# Altium PCB OZ440-SE100-CAR003.PcbDoc (part 1 of 5) (continued)
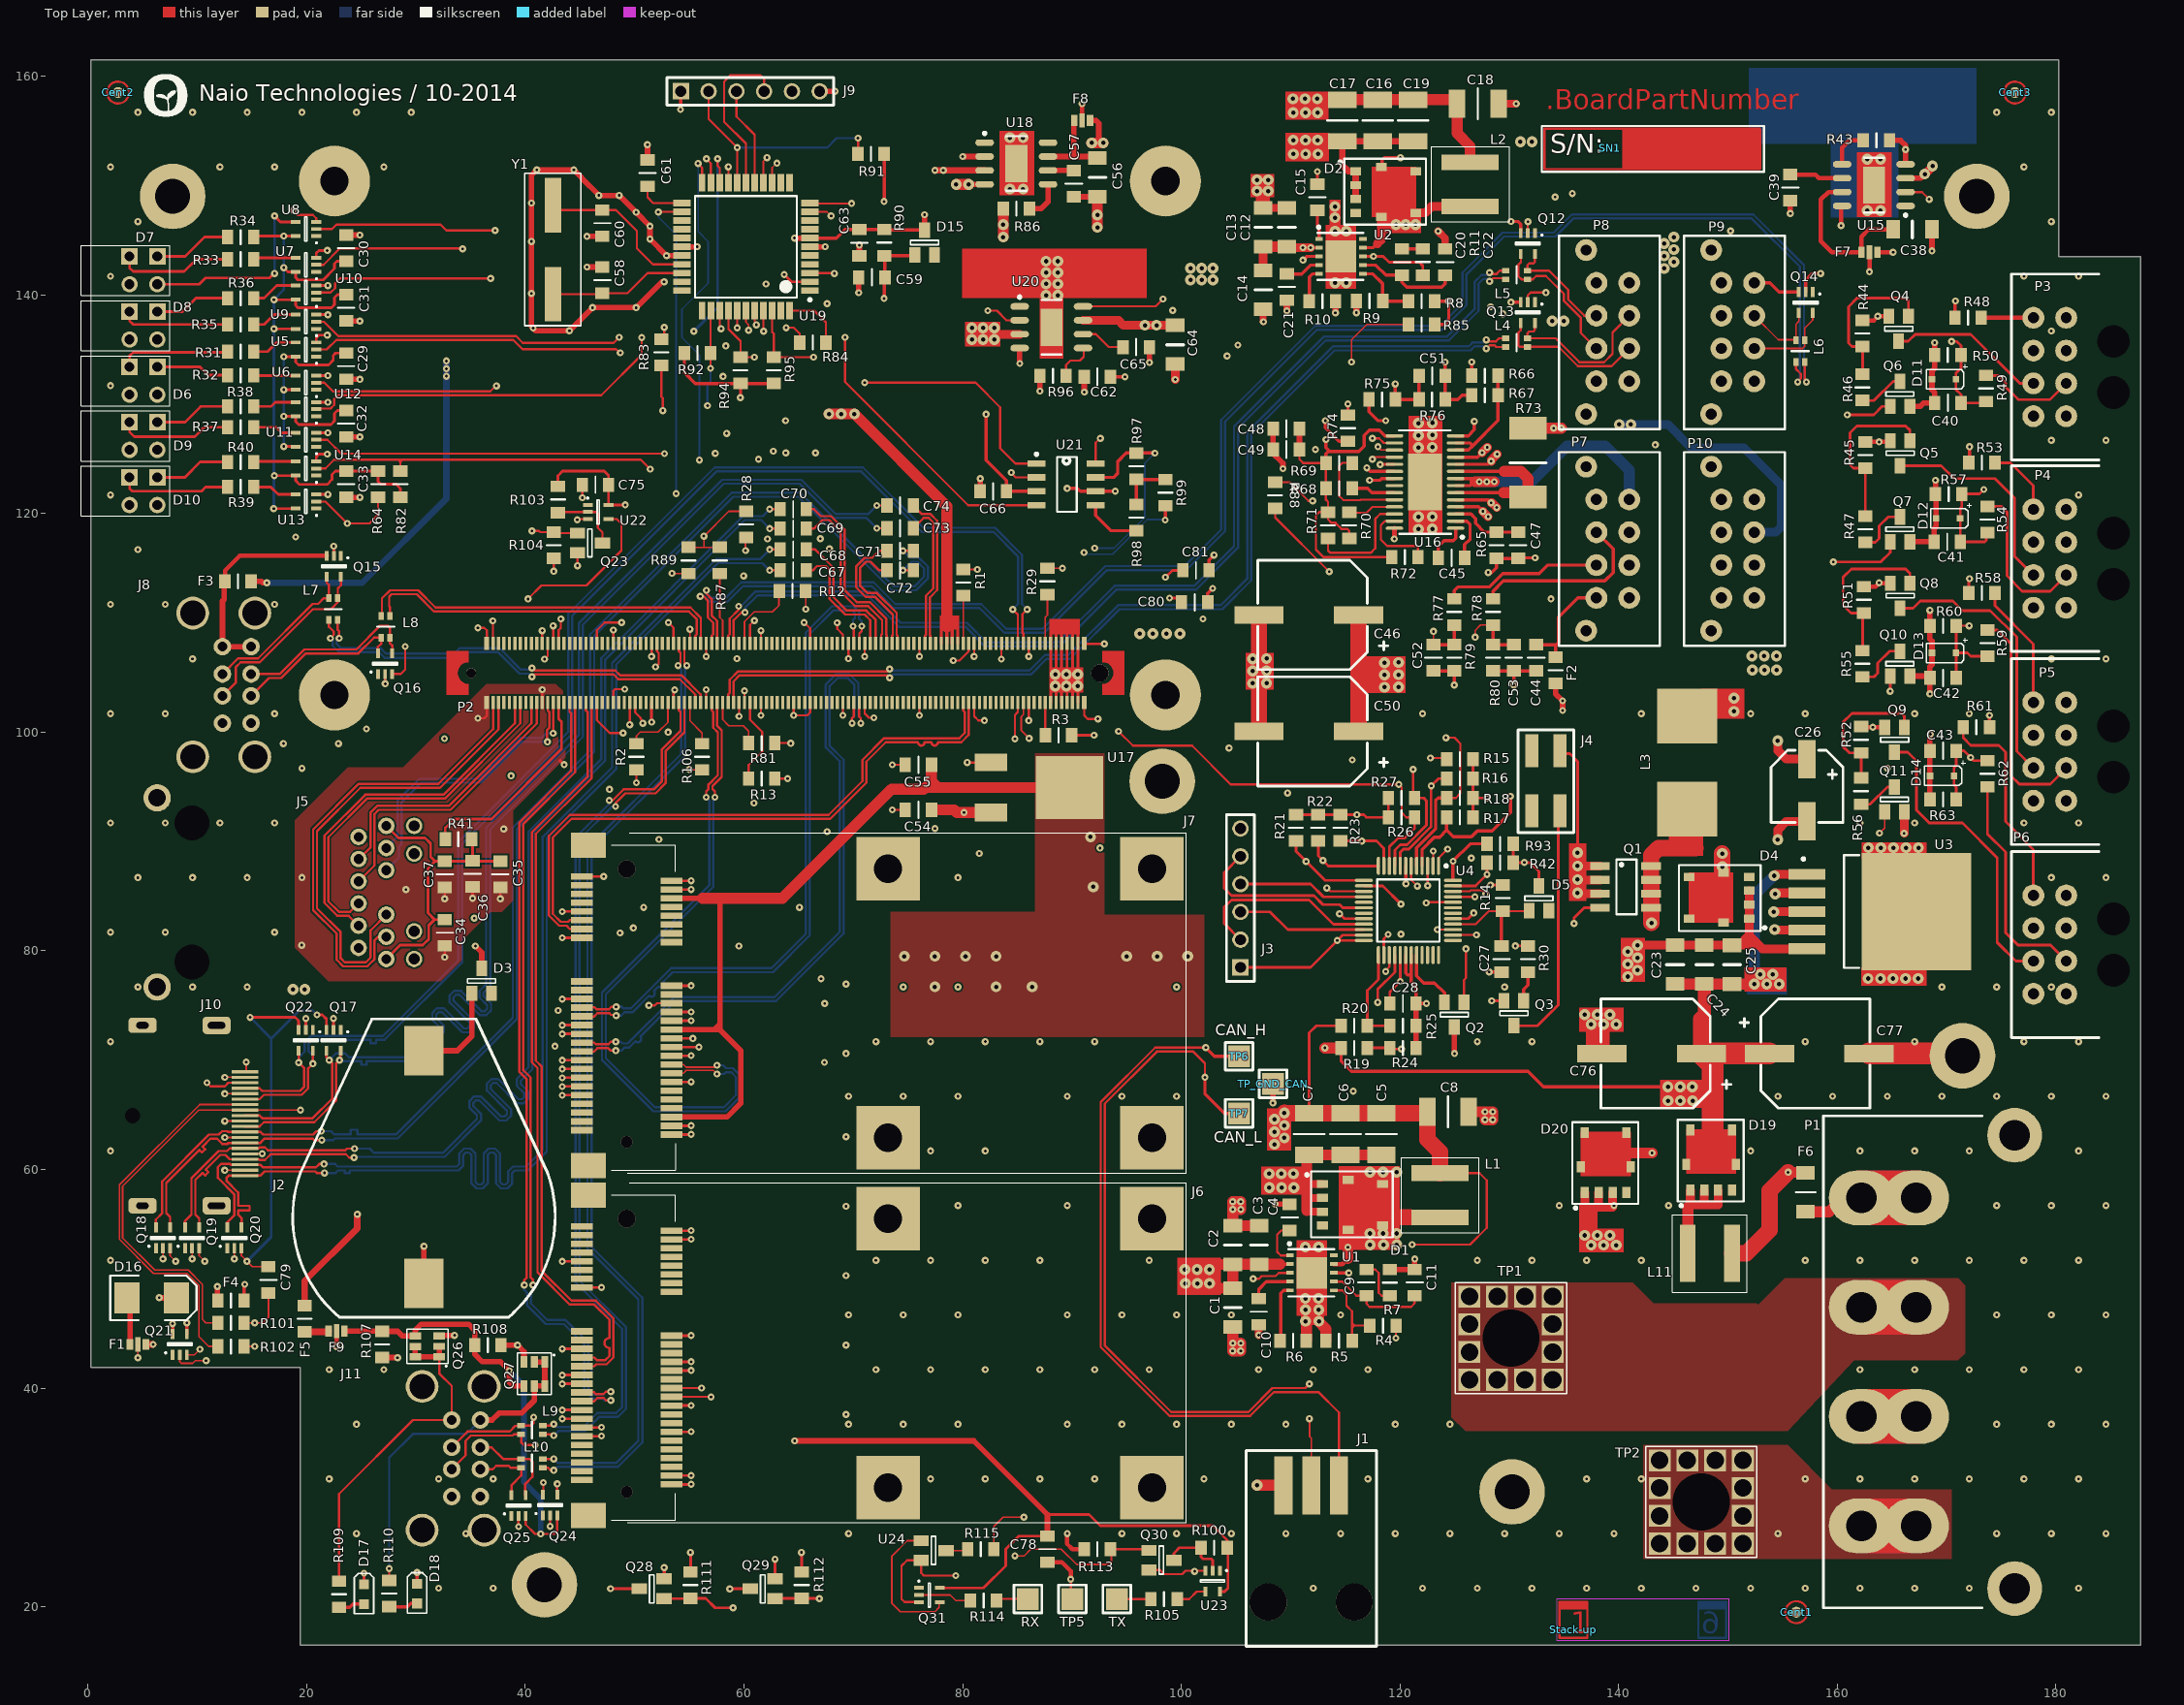
[diagram p0: Top Layer view]
## Components (designator, comment, footprint, x,y, rotation, side; value= is the part's Value field where it differs from the comment) (continued)
D20 "MBR5100MFS-SO8" SO8-SPE-MBR5100MFS 138.811,60.353 r90 top
F1 "LC_FILTER-STD" LC_0603-STD 4.572,44.003 r180 top
F2 "FUSE-SMD" R0805-STD 134.239,105.664 r90 top
F3 "FUSE-SMD" R0805-STD 13.716,113.792 r180 top
F4 "FUSE-SMD" R0805-STD 13.081,48.006 r0 top
F5 "FUSE-SMD" R0805-STD 19.812,46.355 r270 top
F6 "FUSE-SMD" F1206-STD 157.099,57.912 r90 top
F7 "LC_FILTER-STD" LC_0603-STD 162.941,143.891 r0 top
F8 "LC_FILTER-STD" LC_0603-STD 90.932,155.956 r0 top
F9 "LC_FILTER-STD" LC_0603-STD 22.733,45.212 r0 top
J1 "CONN-STD-3P_1ROW" CONN-SPE_MOLEX_0015913033 114.427,31.115 r180 top
J2 "CONN-STD-2P_BATTERY" CONN-SPE-Keyst_1081 30.734,70.866 r180 top
J3 "CONN-STD-6P_1ROW" 6P_HEADER-STD_TH_1ROW 105.41,81.026 r270 top
J4 "CONN-STD-4P_2ROW" 4P_HEADER-SPE-1241050-2 134.62,98.298 r180 top
J5 "CONN_GIG_TF-SPE-PULSE_JK0654218Z" TR-SPE-PULSE_JK0654X1XX 6.334,85.344 r0 top locked
J6 "CONN-STD-miniPCI_msata" CONN-SPE_MiniPCI-mSATA_MOLEX_67910-0002 49.276,55.503 r270 top locked
J7 "CONN-STD-miniPCI_msata" CONN-SPE_MiniPCI-mSATA_MOLEX_67910-0002 49.276,87.503 r270 top locked
J8 "CONN-STD_USB_A_DUAL" CONN-STD-USB_A 12.303,107.823 r270 top locked
J9 "CONN-STD-6P_1ROW" 6P_HEADER-STD_TH_1ROW 56.769,158.623 r180 top
J10 "CONN-STD-DISPLAY_PORT_B" CONN-SPE-DISPLAY_PORT_DP1RD20JQ1R400_JAE 14.367,59.436 r270 top
J11 "CONN-STD_USB_A_DUAL" CONN-STD-USB_A 33.274,37.084 r270 top locked
L1 "IND-SMD" L-SPE-XAL60xx 123.672,55.626 r90 top
L2 "IND-SMD" L-SPE-XAL60xx 126.416,148.082 r90 top
L3 "IND-SMD" L-SPE-MSS1260 146.289,101.473 r270 top locked
L4 "IND-MC-SMD" L-SPE-0805_MC_EXC34 129.667,136.03 r0 top
L5 "IND-MC-SMD" L-SPE-0805_MC_EXC34 129.667,142.225 r0 top
L6 "IND-MC-SMD" L-SPE-0805_MC_EXC34 156.21,133.858 r90 top
L7 "IND-MC-SMD" L-SPE-0805_MC_EXC34 22.047,110.261 r90 top
L8 "IND-MC-SMD" L-SPE-0805_MC_EXC34 27.635,110.642 r270 top
L9 "IND-MC-SMD" L-SPE-0805_MC_EXC34 39.624,36.576 r0 top
L10 "IND-MC-SMD" L-SPE-0805_MC_EXC34 39.624,33.528 r0 top
L11 "IND-SMD" L-SPE-XAL60xx 150.368,52.324 r180 top
P1 "CONN-STD-4P_puissance" CONN-SPE-428204213_MOLEX 167.22,57.404 r90 top locked
P2 "CONN-SPE-220P_AMP_3-1827253-6" CONN-SPE_AMP_3-1827253-6 35.052,105.41 r0 top locked
P3 "CONN-SPE-8P_MOLEX_43045-0801" CONN-SPE_MOLEX_43045-0801 180.935,128.905 r90 top locked
P4 "CONN-SPE-8P_MOLEX_43045-0801" CONN-SPE_MOLEX_43045-0801 180.935,111.379 r90 top locked
P5 "CONN-SPE-8P_MOLEX_43045-0801" CONN-SPE_MOLEX_43045-0801 180.935,93.726 r90 top locked
P6 "CONN-SPE-8P_MOLEX_43045-0801" CONN-SPE_MOLEX_43045-0801 180.935,76.073 r90 top locked
P7 "CONN-SPE-8P_MOLEX_43045-0801" CONN-SPE_MOLEX_43045-0812 140.97,121.285 r90 top locked
P8 "CONN-SPE-8P_MOLEX_43045-0801" CONN-SPE_MOLEX_43045-0812 140.97,141.097 r90 top locked
P9 "CONN-SPE-8P_MOLEX_43045-0801" CONN-SPE_MOLEX_43045-0812 152.4,141.097 r90 top locked
P10 "CONN-SPE-8P_MOLEX_43045-0801" CONN-SPE_MOLEX_43045-0812 152.4,121.285 r90 top locked
Q1 "IRF7832-SO8" SO8-SPE-IRF7832 140.716,85.852 r0 top
Q2 "2N7002-SMD3P" SOT23-SPE-2N7002 124.968,73.025 r90 top
Q3 "2N7002-SMD3P" SOT23-SPE-2N7002 130.414,73.152 r90 top
Q4 "BSS84-SOT23" SOT23-STD 165.608,135.763 r90 top
Q5 "BSS84-SOT23" SOT23-STD 165.735,124.379 r90 top
Q6 "2N7002-SMD3P" SOT23-SPE-2N7002 165.735,132.08 r270 top
Q7 "2N7002-SMD3P" SOT23-SPE-2N7002 165.735,119.697 r270 top
Q8 "BSS84-SOT23" SOT23-STD 165.735,111.346 r90 top
Q9 "BSS84-SOT23" SOT23-STD 165.227,98.169 r90 top
Q10 "2N7002-SMD3P" SOT23-SPE-2N7002 165.735,107.409 r270 top
Q11 "2N7002-SMD3P" SOT23-SPE-2N7002 165.227,94.994 r270 top
Q12 "SP03003_02-SC70" SC70-SPE-SP3003 132.345,145.654 r270 top
Q13 "SP03003_02-SC70" SC70-SPE-SP3003 132.345,139.332 r270 top
Q14 "SP03003_02-SC70" SC70-SPE-SP3003 157.759,140.259 r270 top
Q15 "SP03003_02-SC70" SC70-SPE-SP3003 23.139,116.129 r270 top
Q16 "SP03003_02-SC70" SC70-SPE-SP3003 26.528,105.322 r90 top
Q17 "SP03003_02-SC70" SC70-SPE-SP3003 23.114,72.771 r270 top
Q18 "SP03003_02-SC70" SC70-SPE-SP3003 6.214,52.803 r90 top
Q19 "SP03003_02-SC70" SC70-SPE-SP3003 8.881,52.803 r90 top
Q20 "SP03003_02-SC70" SC70-SPE-SP3003 12.743,52.803 r90 top
Q21 "SP03003_02-SC70" SC70-SPE-SP3003 7.747,43.053 r90 top
Q22 "SP03003_02-SC70" SC70-SPE-SP3003 20.574,72.771 r270 top
Q23 "2N7002-SMD3P" SOT23-SPE-2N7002 47.052,117.302 r180 top
Q24 "SP03003_02-SC70" SC70-SPE-SP3003 41.619,28.353 r90 top
Q25 "SP03003_02-SC70" SC70-SPE-SP3003 38.735,28.321 r90 top
Q26 "IRLMS6702-MICRO6" MICRO6-SPE-IRLMS6702 32.131,42.869 r90 top
Q27 "IRLMS6702-MICRO6" MICRO6-SPE-IRLMS6702 41.783,42.403 r180 top
Q28 "2N7002-SMD3P" SOT23-SPE-2N7002 50.424,21.657 r0 top
Q29 "2N7002-SMD3P" SOT23-SPE-2N7002 60.579,21.657 r0 top
Q30 "2N7002-SMD3P" SOT23-SPE-2N7002 99.314,24.257 r180 top
Q31 "2N7002-SMD3P" SOT23-SPE-2N7002 78.486,25.146 r180 top
R1 "RES-SMD" R0805-STD 80.052,113.678 r270 top
R2 "RES-SMD" R0805-STD 50.165,97.753 r90 top
R3 "RES-SMD" R0805-STD 88.773,99.726 r0 top
R4 "RES-SMD" R0805-STD 118.448,45.72 r0 top
R5 "RES-SMD" R0805-STD 114.427,44.323 r0 top
R6 "RES-SMD" R0805-STD 110.236,44.323 r0 top
R7 "RES-SMD" R0805-STD 119.07,49.657 r270 top
R8 "RES-SMD" R0805-STD 121.971,139.431 r0 top
R9 "RES-SMD" R0805-STD 117.221,139.446 r0 top
R10 "RES-SMD" R0805-STD 112.903,139.431 r0 top
R11 "RES-SMD" R0805-STD 122.09,143.002 r90 top
R12 "RES-SMD" R0805-STD 64.446,112.903 r180 top
R13 "RES-SMD" R0805-STD 61.62,95.758 r0 top
R14 "RES-SMD" R0805-STD 129.413,84.836 r270 top
R15 "RES-SMD" R0805-STD 125.476,97.534 r180 top
R16 "RES-SMD" R0805-STD 125.476,95.758 r180 top
R17 "RES-SMD" R0805-STD 125.476,92.216 r180 top
R18 "RES-SMD" R0805-STD 125.476,93.98 r180 top
R19 "RES-SMD" R0805-STD 115.817,71.12 r180 top
R20 "RES-SMD" R0805-STD 115.817,73.152 r180 top
R21 "RES-SMD" R0805-STD 110.49,91.252 r270 top
R22 "RES-SMD" R0805-STD 112.522,91.252 r270 top
R23 "RES-SMD" R0805-STD 114.554,91.252 r270 top
R24 "RES-SMD" R0805-STD 120.269,71.12 r180 top
R25 "RES-SMD" R0805-STD 120.269,73.152 r180 top
R26 "RES-SMD" R0805-STD 120.142,92.216 r0 top
R27 "RES-SMD" R0805-STD 120.142,93.98 r0 top
R28 "RES-SMD" R0805-STD 60.197,118.999 r90 top
R29 "RES-SMD" R0805-STD 87.757,113.792 r90 top
R30 "RES-SMD" R0805-STD 131.71,79.254 r90 top
R31 "RES-SMD" R0805-STD 13.97,134.81 r180 top locked
R32 "RES-SMD" R0805-STD 13.97,132.651 r180 top locked
R33 "RES-SMD" R0805-STD 13.97,143.256 r180 top locked
R34 "RES-SMD" R0805-STD 13.97,145.288 r180 top locked
R35 "RES-SMD" R0805-STD 13.97,137.287 r180 top locked
R36 "RES-SMD" R0805-STD 13.97,139.7 r180 top locked
R37 "RES-SMD" R0805-STD 13.97,127.889 r180 top locked
R38 "RES-SMD" R0805-STD 13.97,129.794 r180 top locked
R39 "RES-SMD" R0805-STD 13.97,122.428 r180 top locked
R40 "RES-SMD" R0805-STD 13.97,124.714 r180 top locked
R41 "RES-SMD" R0805-STD 33.884,90.221 r0 top
R42 "RES-SMD" R0805-STD 129.159,88.068 r180 top
R43 "RES-SMD" R0805-STD 163.576,154.127 r180 top
R44 "RES-SMD" R0805-STD 162.306,136.468 r90 top
R45 "RES-SMD" R0805-STD 162.56,125.355 r90 top
R46 "RES-SMD" R0805-STD 162.306,131.54 r90 top
R47 "RES-SMD" R0805-STD 162.56,118.554 r90 top
R48 "RES-SMD" R0805-STD 171.958,137.905 r180 top
R49 "RES-SMD" R0805-STD 173.609,131.445 r90 top
R50 "RES-SMD" R0805-STD 170.104,134.493 r0 top
R51 "RES-SMD" R0805-STD 162.433,112.108 r90 top
R52 "RES-SMD" R0805-STD 162.179,99.312 r90 top
R53 "RES-SMD" R0805-STD 173.228,124.65 r180 top
R54 "RES-SMD" R0805-STD 173.736,119.443 r90 top
R55 "RES-SMD" R0805-STD 162.306,106.266 r90 top
R56 "RES-SMD" R0805-STD 162.179,94.613 r90 top
R57 "RES-SMD" R0805-STD 170.18,121.786 r0 top
R58 "RES-SMD" R0805-STD 173.228,112.726 r180 top
R59 "RES-SMD" R0805-STD 173.736,108.15 r90 top
R60 "RES-SMD" R0805-STD 169.672,109.734 r0 top
R61 "RES-SMD" R0805-STD 172.72,100.455 r0 top
R62 "RES-SMD" R0805-STD 173.736,96.199 r270 top
R63 "RES-SMD" R0805-STD 169.672,93.851 r0 top
R64 "RES-SMD" R0805-STD 26.543,122.682 r90 top
R65 "RES-SMD" R0805-STD 128.841,117.094 r270 top
R66 "RES-SMD" R0805-STD 127.768,132.609 r0 top
R67 "RES-SMD" R0805-STD 127.768,130.825 r0 top
R68 "RES-SMD" R0805-STD 114.433,122.309 r0 top
R69 "RES-SMD" R0805-STD 114.433,124.627 r0 top
R70 "RES-SMD" R0805-STD 115.366,118.924 r90 top
R71 "RES-SMD" R0805-STD 113.417,118.924 r270 top
R72 "RES-SMD" R0805-STD 120.447,116.027 r0 top
R73 "RES-SMD" R2512-STD 131.71,127.813 r270 top
R74 "RES-SMD" R0805-STD 115.239,127.806 r270 top
R75 "RES-SMD" R0805-STD 118.37,130.437 r180 top
R76 "RES-SMD" R0805-STD 122.942,130.437 r180 top
R77 "RES-SMD" R0805-STD 124.969,110.998 r90 top
R78 "RES-SMD" R0805-STD 128.509,110.998 r90 top
R79 "RES-SMD" R0805-STD 124.969,106.807 r90 top
R80 "RES-SMD" R0805-STD 128.509,106.807 r90 top
R81 "RES-SMD" R0805-STD 61.62,99.009 r180 top
R82 "RES-SMD" R0805-STD 28.575,122.682 r270 top
R83 "RES-SMD" R0805-STD 52.451,134.747 r270 top
R84 "RES-SMD" R0805-STD 66.294,135.636 r180 top
R85 "RES-SMD" R0805-STD 121.971,137.287 r180 top
R86 "RES-SMD" R0805-STD 84.916,147.891 r0 top
R87 "RES-SMD" R0805-STD 57.785,115.71 r270 top
R88 "RES-SMD" R0805-STD 108.585,121.666 r90 top
R89 "RES-SMD" R0805-STD 54.921,115.71 r90 top
R90 "RES-SMD" R0805-STD 72.838,144.78 r90 top
R91 "RES-SMD" R0805-STD 71.628,152.908 r180 top
R92 "RES-SMD" R0805-STD 55.753,134.677 r180 top
R93 "RES-SMD" R0805-STD 129.159,89.789 r180 top
R94 "RES-SMD" R0805-STD 59.69,133.096 r270 top
R95 "RES-SMD" R0805-STD 62.738,133.096 r270 top
R96 "RES-SMD" R0805-STD 88.265,132.594 r0 top
R97 "RES-SMD" R0805-STD 95.885,124.333 r90 top
R98 "RES-SMD" R0805-STD 95.885,119.634 r90 top
R99 "RES-SMD" R0805-STD 98.552,121.908 r90 top
R100 "RES-SMD" R0805-STD 102.997,25.4 r0 top
R101 "RES-SMD" R0805-STD 13.081,45.977 r180 top
R102 "RES-SMD" R0805-STD 13.081,43.819 r180 top
R103 "RES-SMD" R0805-STD 42.988,121.285 r90 top
R104 "RES-SMD" R0805-STD 42.607,117.094 r90 top
R105 "RES-SMD" R0805-STD 98.425,20.701 r180 top
R106 "RES-SMD" R0805-STD 56.179,97.753 r270 top
R107 "RES-SMD" R0805-STD 26.924,44.003 r90 top
R108 "RES-SMD" R0805-STD 36.576,43.942 r180 top
R109 "RES-SMD" R0805-STD 22.962,21.149 r90 top
R110 "RES-SMD" R0805-STD 27.559,21.206 r90 top
R111 "RES-SMD" R0805-STD 55.118,21.982 r270 top
R112 "RES-SMD" R0805-STD 65.278,21.982 r270 top
R113 "RES-SMD" R0805-STD 92.329,25.273 r0 top
R114 "RES-SMD" R0805-STD 81.915,20.574 r0 top
R115 "RES-SMD" R0805-STD 81.661,25.273 r0 top
RX "TP-STD-TEST_POINT" MEC-STD-SMD_PAD_2mm 85.979,20.723 r0 top
SN1 "SERIAL-NUMBER" SERIAL_NUMBER-STD 139.192,153.416 r0 top
Stack-up "STACKUP" STACKUP-SPE-6LAYERS 135.865,17.932 r0 top
TP1 "TP-STD-TEST_POINT" MEC-SPE-WURTHZ_7460408 130.16,44.577 r0 top
TP2 "TP-STD-TEST_POINT" MEC-SPE-WURTHZ_7460408 147.559,29.591 r0 top
TP5 "TP-STD-TEST_POINT" MEC-STD-SMD_PAD_2mm 90.043,20.723 r0 top
TP6 "TP-STD-TEST_POINT" MEC-STD-SMD_PAD_2mm 105.283,70.358 r0 top
TP7 "TP-STD-TEST_POINT" MEC-STD-SMD_PAD_2mm 105.283,65.139 r0 top
TP_GND_CAN "TP-STD-TEST_POINT" MEC-STD-SMD_PAD_2mm 108.382,67.843 r90 top
TX "TP-STD-TEST_POINT" MEC-STD-SMD_PAD_2mm 94.107,20.723 r0 top
U1 "TPS54361-SON10" SON10-SPE-TPS54361 111.944,50.546 r270 top
U2 "TPS54361-SON10" SON10-SPE-TPS54361 114.605,143.521 r270 top
U3 "TL2575HV-xx-TO263" TO263-5-SPE-TL2575HV 157.226,86.995 r0 top
U4 "PWR1014A-TQFP48" TQFP48-SPE-PWR1014 120.777,83.693 r270 top
U5 "74xxx1G14GW-SOT353-1" SOT353-1_5pin-STD 19.939,135.001 r180 top locked
U6 "74xxx1G14GW-SOT353-1" SOT353-1_5pin-STD 19.939,131.97 r180 top locked
U7 "74xxx1G14GW-SOT353-1" SOT353-1_5pin-STD 19.939,142.748 r180 top locked
U8 "74xxx1G14GW-SOT353-1" SOT353-1_5pin-STD 19.939,146.028 r180 top locked
U9 "74xxx1G14GW-SOT353-1" SOT353-1_5pin-STD 19.939,137.541 r180 top locked
U10 "74xxx1G14GW-SOT353-1" SOT353-1_5pin-STD 19.939,140.208 r180 top locked
U11 "74xxx1G14GW-SOT353-1" SOT353-1_5pin-STD 19.939,126.746 r180 top locked
U12 "74xxx1G14GW-SOT353-1" SOT353-1_5pin-STD 19.939,129.54 r180 top locked
U13 "74xxx1G14GW-SOT353-1" SOT353-1_5pin-STD 19.939,121.101 r180 top locked
U14 "74xxx1G14GW-SOT353-1" SOT353-1_5pin-STD 19.939,124.119 r180 top locked
U15 "TPS2421-SO8" SO8_THERMAL-STD 166.243,148.134 r180 top
U16 "DRV8842-TSSOP28" TSSOP28-SPE-DRV8842 125.095,118.658 r180 top
U17 "NCP1117-DPAK" DPAK-STD 82.595,97.224 r180 top
U18 "TPS2421-SO8" SO8_THERMAL-STD 82.016,153.924 r0 top
U19 "P18F45K80-TQFP44" TQFP44-SPE-PIC18F45k80 60.179,144.399 r180 top
U20 "TPS2421-SO8" SO8_THERMAL-STD 85.217,138.944 r0 top
U21 "MCP2561-SOIC08" SO8-SPE-MCP2561 86.755,124.575 r0 top
U22 "74xxx1G14GW-SOT353-1" SOT353-1_5pin-STD 46.671,120.142 r0 top
U23 "74xxx1G14GW-SOT353-1" SOT353-1_5pin-STD 102.87,22.352 r270 top
U24 "74xxx1G14GW-SOT353-1" SOT353-1_5pin-STD 76.962,21.082 r0 top
Y1 "XTAL-SMD" XTAL-SPE-HC49_SMD 42.545,148.209 r270 top

## Footprints (in the part's own frame and the unit in brackets; to place one, negate y for a bottom-side part, rotate by r counter-clockwise, add the part's x,y. Pads: shape width x height; smd on the part's side, far side on the other; paste and mask are expansions set on the pad)
4P_HEADER-SPE-1241050-2 [mm] "4 pin SMT header, 2.54mm pitch"
  rect 1.2x3 smd: 1(0,0) 2(2.54,0) 3(2.54,5.5) 4(0,5.5)
  silkscreen extent -1.27,-1.91 3.81,7.49, body extent -1.27,-1.02 3.81,6.6, height 10.2
6P_HEADER-STD_TH_1ROW [mm] "6P TH header, 2.54mm pitch"
  rect 1.5x1.5 hole 1: 1(2.54,0)
  round 1.5 hole 1: 2(0,0) 3(-2.54,0) 4(-5.08,0) 5(-7.62,0) 6(-10.16,0)
  silkscreen extent -11.43,-1.27 3.81,1.27
0603-SPE-LED [mm]
  rect 0.9x0.9 smd: 1(-0.9,0) 2(0.9,0)
  silkscreen extent -1.78,-0.89 1.91,0.89, body extent -0.84,-0.37 0.81,0.36, height 0.68
C0805-STD [mm]
  rect 1.05x1.3 smd: 1(-1.2,0) 2(1.2,0)
  silkscreen extent 0,-0.76 0,0.76, body extent -1,-0.62 1,0.63, height 0.76
C1206-STD [mm]
  rect 1.25x1.7 smd: 1(-1.775,0) 2(1.775,0)
  silkscreen extent 0,-0.76 0,0.76, body extent -1.6,-0.8 1.6,0.8, height 0.79
C1210-STD [mm]
  rect 1.5x2.6 smd: 1(0,0) 2(3.8,0)
  silkscreen extent 1.91,-1.4 1.91,1.4, body extent 0.31,-1.25 3.51,1.25, height 0.79
CAP-ELECTRO-SMD [mm]
  rect 1.6x3.5 smd: 1(0,0) 2(0,-5.7)
  silkscreen extent -3.3,-5.8 3.3,0.8
CAP-ELECTRO-SMD_SIZE_G [mm]
  rect 1.6x4.5 smd: 1(0,0) 2(0,-9.1)
  silkscreen extent -5,-9.2 5,2.68
CONN-SPE-428204213_MOLEX [mm]
  oval 5x6 hole 2.8: 1(0,5) 1(0,0) 2(-10,0) 2(-10,5) 3(-20,0) 3(-20,5) 4(-30,0) 4(-30,5)
  round 5 hole 2.8: Fix1(5.73,-9) Fix2(-35.73,-9)
  Top Layer lines w5: -30,5 -30,0 ; -20,5 -20,0 ; -10,5 -10,0 ; 0,5 0,0
  Bottom Layer lines w5: -30,5 -30,0 ; -20,5 -20,0 ; -10,5 -10,0 ; 0,5 0,0
  silkscreen extent -37.5,-6 7.5,8.5, body extent -37.02,-22.5 6.8,6.6, height 13.3
CONN-SPE-DISPLAY_PORT_DP1RD20JQ1R400_JAE [mm]
  rect 0.28x2.4 smd: 1(0,0) 1(0,0) 2(-0.5,0) 3(-1,0) 4(-1.5,0) 5(-2,0) 6(-2.5,0) 7(-3,0) 8(-3.5,0) 9(-4,0) 10(-4.5,0) 11(-5,0) 12(-5.5,0) 13(-6,0) 14(-6.5,0) 15(-7,0) 16(-7.5,0) 17(-8,0) 18(-8.5,0) 19(-9,0) 20(-9.5,0)
  rrect50% 1.6x2.6 hole 0.6 slot 1.6 at 90 deg: M1(-13.75,-2.6) M4(2.75,-2.6)
  rrect50% 1.4x2.6 hole 0.6 slot 1.1 at 90 deg: M2(-13.75,-9.38) M3(2.75,-9.38)
  round 0.8 hole 1.4: ""(-5.5,-10.28)
  body extent -14.38,-17.89 3.41,0.3, height 6.65
CONN-SPE-Keyst_1081 [mm] "battery holder 20mm"
  rect 3.6x4.5 smd: 1(0,0) 2(0,21.28)
  silkscreen extent -12,-2.9 12,24.39, body extent -11.18,-2.29 11.53,23.64, height 8.91
CONN-SPE_AMP_3-1827253-6 [mm]
  round 0.9 hole 0.9: 0(0,0)
  round 1.6 hole 1.6: 0(57.5,0)
  rect 0.45x1.2 smd: A1(1.425,-2.7) A110(56.075,-2.7) B1(1.425,2.7) B110(56.075,2.7)
  rect 0.3x1.2 smd: A2(2,-2.7) A3(2.5,-2.7) A4(3,-2.7) A5(3.5,-2.7) A6(4,-2.7) A7(4.5,-2.7) A8(5,-2.7) A9(5.5,-2.7) A10(6,-2.7) A11(6.5,-2.7) A12(7,-2.7) A13(7.5,-2.7) A14(8,-2.7) A15(8.5,-2.7) A16(9,-2.7) A17(9.5,-2.7) A18(10,-2.7) A19(10.5,-2.7) A20(11,-2.7) A21(11.5,-2.7) A22(12,-2.7) A23(12.5,-2.7) A24(13,-2.7) A25(13.5,-2.7) A26(14,-2.7) A27(14.5,-2.7) A28(15,-2.7) A29(15.5,-2.7) A30(16,-2.7) A31(16.5,-2.7) A32(17,-2.7) A33(17.5,-2.7) A34(18,-2.7) A35(18.5,-2.7) A36(19,-2.7) A37(19.5,-2.7) A38(20,-2.7) A39(20.5,-2.7) A40(21,-2.7) A41(21.5,-2.7) A42(22,-2.7) A43(22.5,-2.7) A44(23,-2.7) A45(23.5,-2.7) A46(24,-2.7) A47(24.5,-2.7) A48(25,-2.7) A49(25.5,-2.7) A50(26,-2.7) A51(26.5,-2.7) A52(27,-2.7) A53(27.5,-2.7) A54(28,-2.7) A55(28.5,-2.7) A56(29,-2.7) A57(29.5,-2.7) A58(30,-2.7) A59(30.5,-2.7) A60(31,-2.7) A61(31.5,-2.7) A62(32,-2.7) A63(32.5,-2.7) A64(33,-2.7) A65(33.5,-2.7) A66(34,-2.7) A67(34.5,-2.7) A68(35,-2.7) A69(35.5,-2.7) A70(36,-2.7) A71(36.5,-2.7) A72(37,-2.7) A73(37.5,-2.7) A74(38,-2.7) A75(38.5,-2.7) A76(39,-2.7) A77(39.5,-2.7) A78(40,-2.7) A79(40.5,-2.7) A80(41,-2.7) A81(41.5,-2.7) A82(42,-2.7) A83(42.5,-2.7) A84(43,-2.7) A85(43.5,-2.7) A86(44,-2.7) A87(44.5,-2.7) A88(45,-2.7) A89(45.5,-2.7) A90(46,-2.7) A91(46.5,-2.7) A92(47,-2.7) A93(47.5,-2.7) A94(48,-2.7) A95(48.5,-2.7) A96(49,-2.7) A97(49.5,-2.7) A98(50,-2.7) A99(50.5,-2.7) A100(51,-2.7) A101(51.5,-2.7) A102(52,-2.7) A103(52.5,-2.7) A104(53,-2.7) A105(53.5,-2.7) A106(54,-2.7) A107(54.5,-2.7) A108(55,-2.7) A109(55.5,-2.7) B2(2,2.7) B3(2.5,2.7) B4(3,2.7) B5(3.5,2.7) B6(4,2.7) B7(4.5,2.7) B8(5,2.7) B9(5.5,2.7) B10(6,2.7) B11(6.5,2.7) B12(7,2.7) B13(7.5,2.7) B14(8,2.7) B15(8.5,2.7) B16(9,2.7) B17(9.5,2.7) B18(10,2.7) B19(10.5,2.7) B20(11,2.7) B21(11.5,2.7) B22(12,2.7) B23(12.5,2.7) B24(13,2.7) B25(13.5,2.7) B26(14,2.7) B27(14.5,2.7) B28(15,2.7) B29(15.5,2.7) B30(16,2.7) B31(16.5,2.7) B32(17,2.7) B33(17.5,2.7) B34(18,2.7) B35(18.5,2.7) B36(19,2.7) B37(19.5,2.7) B38(20,2.7) B39(20.5,2.7) B40(21,2.7) B41(21.5,2.7) B42(22,2.7) B43(22.5,2.7) B44(23,2.7) B45(23.5,2.7) B46(24,2.7) B47(24.5,2.7) B48(25,2.7) B49(25.5,2.7) B50(26,2.7) B51(26.5,2.7) B52(27,2.7) B53(27.5,2.7) B54(28,2.7) B55(28.5,2.7) B56(29,2.7) B57(29.5,2.7) B58(30,2.7) B59(30.5,2.7) B60(31,2.7) B61(31.5,2.7) B62(32,2.7) B63(32.5,2.7) B64(33,2.7) B65(33.5,2.7) B66(34,2.7) B67(34.5,2.7) B68(35,2.7) B69(35.5,2.7) B70(36,2.7) B71(36.5,2.7) B72(37,2.7) B73(37.5,2.7) B74(38,2.7) B75(38.5,2.7) B76(39,2.7) B77(39.5,2.7) B78(40,2.7) B79(40.5,2.7) B80(41,2.7) B81(41.5,2.7) B82(42,2.7) B83(42.5,2.7) B84(43,2.7) B85(43.5,2.7) B86(44,2.7) B87(44.5,2.7) B88(45,2.7) B89(45.5,2.7) B90(46,2.7) B91(46.5,2.7) B92(47,2.7) B93(47.5,2.7) B94(48,2.7) B95(48.5,2.7) B96(49,2.7) B97(49.5,2.7) B98(50,2.7) B99(50.5,2.7) B100(51,2.7) B101(51.5,2.7) B102(52,2.7) B103(52.5,2.7) B104(53,2.7) B105(53.5,2.7) B106(54,2.7) B107(54.5,2.7) B108(55,2.7) B109(55.5,2.7)
  round 6.5 hole 2.6: M1(-12.5,-2) M1(-12.5,45) M1(63.5,-2) M1(63.5,45)
  Top Layer region: 59.75,-2 57.75,-2 57.75,-1 58.133,-0.924 58.457,-0.707 58.674,-0.383 58.75,0 58.75,0 58.674,0.383 58.457,0.707 58.133,0.924 57.75,1 57.75,1 57.75,2 59.75,2
  Top Layer region: -2.25,2 -0.25,2 -0.25,1 -0.633,0.924 -0.957,0.707 -1.174,0.383 -1.25,0 -1.25,0 -1.174,-0.383 -0.957,-0.707 -0.633,-0.924 -0.25,-1 -0.25,-1 -0.25,-2 -2.25,-2
  body extent -16.5,-6 67.5,49, height 15
CONN-SPE_MiniPCI-mSATA_MOLEX_67910-0002 [mm]
  rect 5.8x5.8 hole 2.6: 0(0,48.05) 0(0,23.9) 0(24.6,48.05) 0(24.6,23.9)
  rect 0.6x2 smd: 1(0.7,-4.1) 2(1.1,4.1) 3(1.5,-4.1) 4(1.9,4.1) 5(2.3,-4.1) 6(2.7,4.1) 7(3.1,-4.1) 8(3.5,4.1) 9(3.9,-4.1) 10(4.3,4.1) 11(4.7,-4.1) 12(5.1,4.1) 13(5.5,-4.1) 14(5.9,4.1) 15(6.3,-4.1) 16(6.7,4.1) 17(10.3,-4.1) 18(10.7,4.1) 19(11.1,-4.1) 20(11.5,4.1) 21(11.9,-4.1) 22(12.3,4.1) 23(12.7,-4.1) 24(13.1,4.1) 25(13.5,-4.1) 26(13.9,4.1) 27(14.3,-4.1) 28(14.7,4.1) 29(15.1,-4.1) 30(15.5,4.1) 31(15.9,-4.1) 32(16.3,4.1) 33(16.7,-4.1) 34(17.1,4.1) 35(17.5,-4.1) 36(17.9,4.1) 37(18.3,-4.1) 38(18.7,4.1) 39(19.1,-4.1) 40(19.5,4.1) 41(19.9,-4.1) 42(20.3,4.1) 43(20.7,-4.1) 44(21.1,4.1) 45(21.5,-4.1) 46(21.9,4.1) 47(22.3,-4.1) 48(22.7,4.1) 49(23.1,-4.1) 50(23.5,4.1) 51(23.9,-4.1) 52(24.3,4.1)
  rect 2.3x3.2 smd: M1(-2.15,-3.5) M2(27.15,-3.5)
  silkscreen extent -3.3,-1.4 27.81,51.18, body extent -2.69,-5.46 27.3,50.88, height 5.4
CONN-SPE_MOLEX_43045-0801 [mm]
  round 2 hole 1: 1(0,0) 2(3,0) 3(6,0) 4(9,0) 5(9,3) 6(6,3) 7(3,3) 8(0,3)
  round 2 hole 3: FIX2(2.16,-4.32) FIX2(6.84,-4.32)
  silkscreen extent -4,-3 13,5, body extent -3.58,-8.89 12.57,3.35, height 8.78
CONN-SPE_MOLEX_43045-0812 [mm]
  round 2 hole 1: 1(0,0) 2(-3,0) 3(-6,0) 4(-9,0) 5(0,3) 6(-3,3) 7(-6,3) 8(-9,3) FIX1(-12,3.94) FIX2(3,3.94)
  silkscreen extent -13.39,-2.79 4.32,6.43, body extent -12.57,-2.45 3.58,6.32, height 9.95
CONN-SPE_MOLEX_0015913033 [mm]
  round 3.4 hole 3.4: 0(-1.39,10.69) 0(6.48,10.69)
  rect 1.65x5.33 smd: 1(0,0) 2(2.54,0) 3(5.08,0)
  silkscreen extent -3.43,-3.18 8.51,14.73, body extent -3.17,-1.9 8.25,14.86, height 6.96
CONN-STD-USB_A [mm]
  round 1.6 hole 0.9: A1(0,2.62) A2(2.5,2.62) A3(4.5,2.62) A4(7,2.62) B1(0,0) B2(2.5,0) B3(4.5,0) B4(7,0)
  round 3 hole 2.3: M1(-3.07,-2.71) M2(10.07,-2.71) M3(-3.07,2.97) M4(10.07,2.97)
  body extent -3.94,-13.74 11.06,4.46, height 16.09
DO214AA-STD [mm]
  rect 2.3x2.8 smd: A(-2.25,0) K(2.25,0)
  silkscreen extent -3.8,-2.03 4.1,2.03, body extent -2.79,-1.97 2.79,1.97, height 2.6
DPAK-STD [mm]
  rect 3x1.6 smd: 1(0,0) 3(0,4.57)
  rect 6.2x5.8 smd: 4(-7.18,2.285)
  body extent -9.39,-1.11 0.71,5.63, height 2.37
F1206-STD [mm]
  rect 1.25x1.7 smd: 1(-1.775,0) 2(1.775,0)
  silkscreen extent 0,-0.89 0,0.89, body extent -1.6,-0.8 1.6,0.8, height 0.6
L-SPE-0805_MC_EXC34 [mm]
  rect 0.7x0.5 smd: 1(0,0) 2(2,0) 3(2,-0.8) 4(0,-0.8)
  silkscreen extent 0.99,-1.17 0.99,0.38, body extent 0,-1.19 2.01,0.38, height 0.5
L-SPE-MSS1260 [mm]
  rect 5x5.5 smd: 1(0,0) 2(8.5,0)
  body extent -1.86,-6.07 10.44,6.23, height 6.2
L-SPE-XAL60xx [mm]
  rect 1.43x5.24 smd: 1(0,0) 2(4.04,0)
  silkscreen extent -1.4,-3.56 5.46,3.56, body extent -1.25,-3.38 5.31,3.38, height 6
LC_0603-STD [mm]
  rect 0.6x1 smd: 1(-0.725,0) 2(0.725,0)
  rect 0.5x1.3 smd: 3(0,0)
  body extent -0.8,-0.41 0.8,0.41, height 0.6
LED_3MM_DUAL [mm]
  rect 1.5x1.5 hole 0.9: A1(0,0) A2(0,2.54)
  round 1.5 hole 0.9: K1(2.54,0) K2(2.54,2.54)
  silkscreen extent -1.02,-4.44 3.56,3.68, body extent -0.87,-7.24 3.43,3.69, height 9.65
MEC-SPE-WURTHZ_7460408 [mm]
  rect 2x2 hole 1.6: 1(-3.81,-3.81) 1(-3.81,-1.27) 1(-3.81,1.27) 1(-3.81,3.81) 1(-1.27,-3.81) 1(-1.27,3.81) 1(1.27,-3.81) 1(1.27,3.81) 1(3.81,-3.81) 1(3.81,-1.27) 1(3.81,1.27) 1(3.81,3.81)
  round 4 hole 5.2: 1(0,0)
  silkscreen extent -5.08,-5.08 5.08,5.08, body extent -4.5,-4.52 4.5,4.5, height 6
MEC-STD-CENTER [mm]
  round 1 smd paste+0 mask+0.5: 0(0,0)
  Top Layer circle w0.2: c0,0 r1
MEC-STD-SMD_PAD_2mm [mm] "smd pad for wire soldering or other"
  rect 2x2 smd: 1(0,0)
  silkscreen extent -1.27,-1.27 1.27,1.27
MICRO6-SPE-IRLMS6702 [mm]
  rect 0.65x1.06 smd: 1(0,0) 2(0.95,0) 3(1.9,0) 4(1.905,2.2) 5(0.945,2.2) 6(-0.005,2.2)
  silkscreen extent -0.91,-0.81 2.51,2.97, body extent -0.51,-0.38 2.41,2.54, height 1.2
R0805-STD [mm]
  rect 1.05x1.3 smd: 1(-1.2,0) 2(1.2,0)
  silkscreen extent 0,-0.64 0,0.64, body extent -1,-0.61 1,0.64, height 0.6
R2512-STD [mm]
  rect 2.1x3.4 smd: 1(0,0) 2(6.3,0)
  silkscreen extent 3.17,-1.65 3.18,1.65, body extent 0.02,-1.6 6.33,1.6, height 0.62
SC70-SPE-SP3003 [mm]
  rect 0.9x0.35 smd: 1(0,0) 2(0,-0.65) 3(0,-1.3) 4(1.9,-1.3) 5(1.9,0)
  silkscreen extent 0.1,-1.75 1.05,0.71, body extent 0.28,-1.75 1.63,0.45, height 1
SERIAL_NUMBER-STD [mm]
  Top Layer region: 1.143,-1.905 13.843,-1.905 13.843,1.778 1.143,1.778
  Top Layer lines w0.2: 13.716,-1.905 -5.969,-1.905 -5.969,1.778 13.716,1.778
  silkscreen extent -6.22,-2.16 14.1,2.03
SO8-SPE-IRF7832 [mm]
  rect 1.78x0.72 smd: 1(-2.425,1.905) 2(-2.425,0.635) 3(-2.425,-0.635) 4(-2.425,-1.905) 5(2.255,-1.905) 6(2.255,-0.635) 7(2.255,0.635) 8(2.255,1.905)
  silkscreen extent -0.92,-2.5 0.93,2.5, body extent -3.17,-2.45 2.97,2.44, height 1.73
SO8-SPE-MBR5100MFS [mm]
  rect 1x0.75 smd: 1(-2.464,1.905) 2(-2.464,0.635) 3(-2.464,-0.635) 4(-2.464,-1.905) 5(-0.11,-2.28) 6(3.026,-1.905) 7(3.026,1.905) 8(-0.11,2.28)
  Top Layer region: -0.96,2.28 -0.96,-2.28 3.075,-2.28 3.075,2.28
  silkscreen extent -4.01,-2.97 3.96,3.05, body extent -2.74,-2.41 3.4,2.48, height 1.73
SO8-SPE-MCP2561 [mm]
  rect 1.65x0.6 smd: 1(0,0) 2(0,-1.27) 3(0,-2.54) 4(0,-3.81) 5(5.4,-3.81) 6(5.4,-2.54) 7(5.4,-1.27) 8(5.4,0)
  silkscreen extent -0.12,-4.41 3.68,0.97, body extent -0.4,-4.35 5.74,0.54, height 1.73
SO8_THERMAL-STD [mm]
  oval 1.7x0.6 smd: 1(0,0) 2(0,-1.27) 3(0,-2.54) 4(0,-3.81) 5(5.8,-3.81) 6(5.8,-2.54) 7(5.8,-1.27) 8(5.8,0)
  rect 2x3.4 smd: 9(2.9,-1.905)
  silkscreen extent -0.13,-4.41 3.8,0.97, body extent -0.15,-4.37 5.99,0.52, height 1.73
SOD323-SPE-BZX384 [mm]
  rect 0.6x0.6 smd: A(0,0) K(2.2,0)
  silkscreen extent -0.51,-0.89 3.25,1.37, body extent -0.16,-0.64 2.34,0.62, height 0.95
SON10-SPE-TPS54361 [mm]
  rect 0.35x0.7 smd: 1(-1.6,-2) 2(-0.8,-2) 3(0,-2) 4(0.8,-2) 5(1.6,-2) 6(1.6,2) 7(0.8,2) 8(0,2) 9(-0.8,2) 10(-1.6,2)
  rect 2.9x2.8 smd: 11(0,0)
  silkscreen extent -2.79,-2.16 2.16,2.03, body extent -2.1,-2.03 2.1,2.03, height 0.8
SOT23-SPE-2N7002 [mm]
  rect 1.4x1 smd: 1(2.275,-0.9) 2(2.275,0.9)
  rect 1.425x1 smd: 3(0,0)
  silkscreen extent 0.94,-1.3 1.35,1.27, body extent -0.18,-1.5 2.46,1.5, height 1.08
SOT23-STD [mm]
  rect 1.4x1 smd: 1(2.275,-0.9) 2(2.275,0.9)
  rect 1.425x1 smd: 3(0,0)
  silkscreen extent 0.94,-1.3 1.35,1.27, body extent -0.18,-1.5 2.46,1.5, height 1.08
SOT353-1_5pin-STD [mm] "SOT23, 5-Leads, Body 2,3x2,3mm (max), Pitch 0,65mm, IPC Medium Density"
  rect 0.9x0.35 smd: 1(-0.95,0.65) 2(-0.95,0) 3(-0.95,-0.65) 4(0.95,-0.65) 5(0.95,0.65)
  silkscreen extent -1.04,-1.1 0.1,1.34, body extent -1.15,-1.05 1.15,1.05, height 1
STACKUP-SPE-6LAYERS [mm]
  Top Layer region: -1.27,1.905 1.27,1.905 1.27,2.54 -1.27,2.54
  Top Layer lines w0.2: -1.27,1.905 -1.27,2.54 1.27,2.54 1.27,1.905 ; -1.27,1.905 1.27,1.905 ; -1.27,1.905 -1.27,-0.762 1.27,-0.762 1.27,1.905
  Bottom Layer region: 11.43,1.905 13.97,1.905 13.97,2.54 11.43,2.54
  Bottom Layer lines w0.2: 11.43,-0.762 11.43,1.905 ; 11.43,-0.762 11.43,2.54 ; 11.43,-0.762 11.43,1.905 ; 11.43,-0.762 13.97,-0.762 13.97,1.905 ; 11.43,1.905 11.43,2.54 ; 11.43,1.905 11.43,2.54 ; 11.43,1.905 13.97,1.905 ; 11.43,2.54 13.97,2.54 13.97,1.905
  Keep-Out Layer region: -1.524,-1.016 14.224,-1.016 14.224,2.794 -1.524,2.794
TO263-5-SPE-TL2575HV [mm]
  rect 3.4x1 smd: 1(0,0) 2(0,-1.7) 3(0,-3.4) 4(0,-5.1) 5(0,-6.8)
  rect 10x10.7 smd: 6(10,-3.4)
  silkscreen extent -0.45,-8.55 4.77,1.75, body extent -1.37,-8.4 14.3,1.6, height 4.78
TQFP44-SPE-PIC18F45k80 [mm]
  rect 1.6x0.6 smd: 1(-5.85,4) 2(-5.85,3.2) 3(-5.85,2.4) 4(-5.85,1.6) 5(-5.85,0.8) 6(-5.85,0) 7(-5.85,-0.8) 8(-5.85,-1.6) 9(-5.85,-2.4) 10(-5.85,-3.2) 11(-5.85,-4) 23(5.85,-4) 24(5.85,-3.2) 25(5.85,-2.4) 26(5.85,-1.6) 27(5.85,-0.8) 28(5.85,0) 29(5.85,0.8) 30(5.85,1.6) 31(5.85,2.4) 32(5.85,3.2) 33(5.85,4)
  rect 0.6x1.6 smd: 12(-4,-5.85) 13(-3.2,-5.85) 14(-2.4,-5.85) 15(-1.6,-5.85) 16(-0.8,-5.85) 17(0,-5.85) 18(0.8,-5.85) 19(1.6,-5.85) 20(2.4,-5.85) 21(3.2,-5.85) 22(4,-5.85) 34(4,5.85) 35(3.2,5.85) 36(2.4,5.85) 37(1.6,5.85) 38(0.8,5.85) 39(0,5.85) 40(-0.8,5.85) 41(-1.6,5.85) 42(-2.4,5.85) 43(-3.2,5.85) 44(-4,5.85)
  silkscreen extent -5.98,-4.65 4.65,4.97, body extent -6.01,-6.01 6.01,6.01, height 1.1
TQFP48-SPE-PWR1014 [mm]
  oval 1.65x0.3 smd: 1(-4.075,2.75) 2(-4.075,2.25) 3(-4.075,1.75) 4(-4.075,1.25) 5(-4.075,0.75) 6(-4.075,0.25) 7(-4.075,-0.25) 8(-4.075,-0.75) 9(-4.075,-1.25) 10(-4.075,-1.75) 11(-4.075,-2.25) 12(-4.075,-2.75) 25(4.075,-2.75) 26(4.075,-2.25) 27(4.075,-1.75) 28(4.075,-1.25) 29(4.075,-0.75) 30(4.075,-0.25) 31(4.075,0.25) 32(4.075,0.75) 33(4.075,1.25) 34(4.075,1.75) 35(4.075,2.25) 36(4.075,2.75)
  oval 0.3x1.65 smd: 13(-2.75,-4.075) 14(-2.25,-4.075) 15(-1.75,-4.075) 16(-1.25,-4.075) 17(-0.75,-4.075) 18(-0.25,-4.075) 19(0.25,-4.075) 20(0.75,-4.075) 21(1.25,-4.075) 22(1.75,-4.075) 23(2.25,-4.075) 24(2.75,-4.075) 37(2.75,4.075) 38(2.25,4.075) 39(1.75,4.075) 40(1.25,4.075) 41(0.75,4.075) 42(0.25,4.075) 43(-0.25,4.075) 44(-0.75,4.075) 45(-1.25,4.075) 46(-1.75,4.075) 47(-2.25,4.075) 48(-2.75,4.075)
  silkscreen extent -4.2,-2.85 2.85,3.58, body extent -4.51,-4.51 4.51,4.51, height 1.08
TR-SPE-PULSE_JK0654X1XX [mm]
  round 1.5 hole 0.9: 1(18.42,-5.07) 2(18.42,-3.04) 3(18.42,-1.01) 4(18.42,1.02) 5(18.42,3.05) 6(18.42,5.08) 7(20.96,-6.09) 8(20.96,-4.06) 9(20.96,-2.03) 10(20.96,2.03) 11(20.96,4.06) 12(20.96,6.09)
  round 1.5 hole 1: 13(23.5,-6.09) 13(23.5,6.09) 14(23.5,-3.55) 14(23.5,3.55)
  round 1.5 hole 3.2: F1(3.18,-6.35) F1(3.18,6.35)
  round 2.5 hole 1.6: F2(0,-8.65) F2(0,8.65)
  body extent -7.75,-9.52 24.94,9.46, height 14.95
TSSOP28-SPE-DRV8842 [mm]
  oval 1.6x0.3 smd: 1(0,0) 2(0,-0.65) 3(0,-1.3) 4(0,-1.95) 5(0,-2.6) 6(0,-3.25) 7(0,-3.9) 8(0,-4.55) 9(0,-5.2) 10(0,-5.85) 11(0,-6.5) 12(0,-7.15) 13(0,-7.8) 14(0,-8.45) 15(5.6,-8.45) 16(5.6,-7.8) 17(5.6,-7.15) 18(5.6,-6.5) 19(5.6,-5.85) 20(5.6,-5.2) 21(5.6,-4.55) 22(5.6,-3.9) 23(5.6,-3.25) 24(5.6,-2.6) 25(5.6,-1.95) 26(5.6,-1.3) 27(5.6,-0.65) 28(5.6,0)
  rect 3.1x5.18 smd: 29(2.8,-4.225)
  silkscreen extent -0.73,-8.96 5.17,0.94, body extent -0.4,-9.07 6,0.63, height 0.97
XTAL-SPE-HC49_SMD [mm]
  rect 5x1.5 smd: 1(0,0) 2(8.15,0)
  silkscreen extent -2.92,-2.59 11.02,2.54, body extent -2.21,-2.44 10.59,2.39, height 4.3